# Altium PCB spin5v1_simple.PcbDoc (part 1 of 25)
Units mm, origin at the board's own origin, x right, y up, seen from the top; angles counter-clockwise.
Board outline 220.03 x 233.43 mm, 2 copper layers (TOP, BOTTOM), stack 0.176 mm thick; 1457 components, 4724 nets, 19245 pads, 25289 vias.
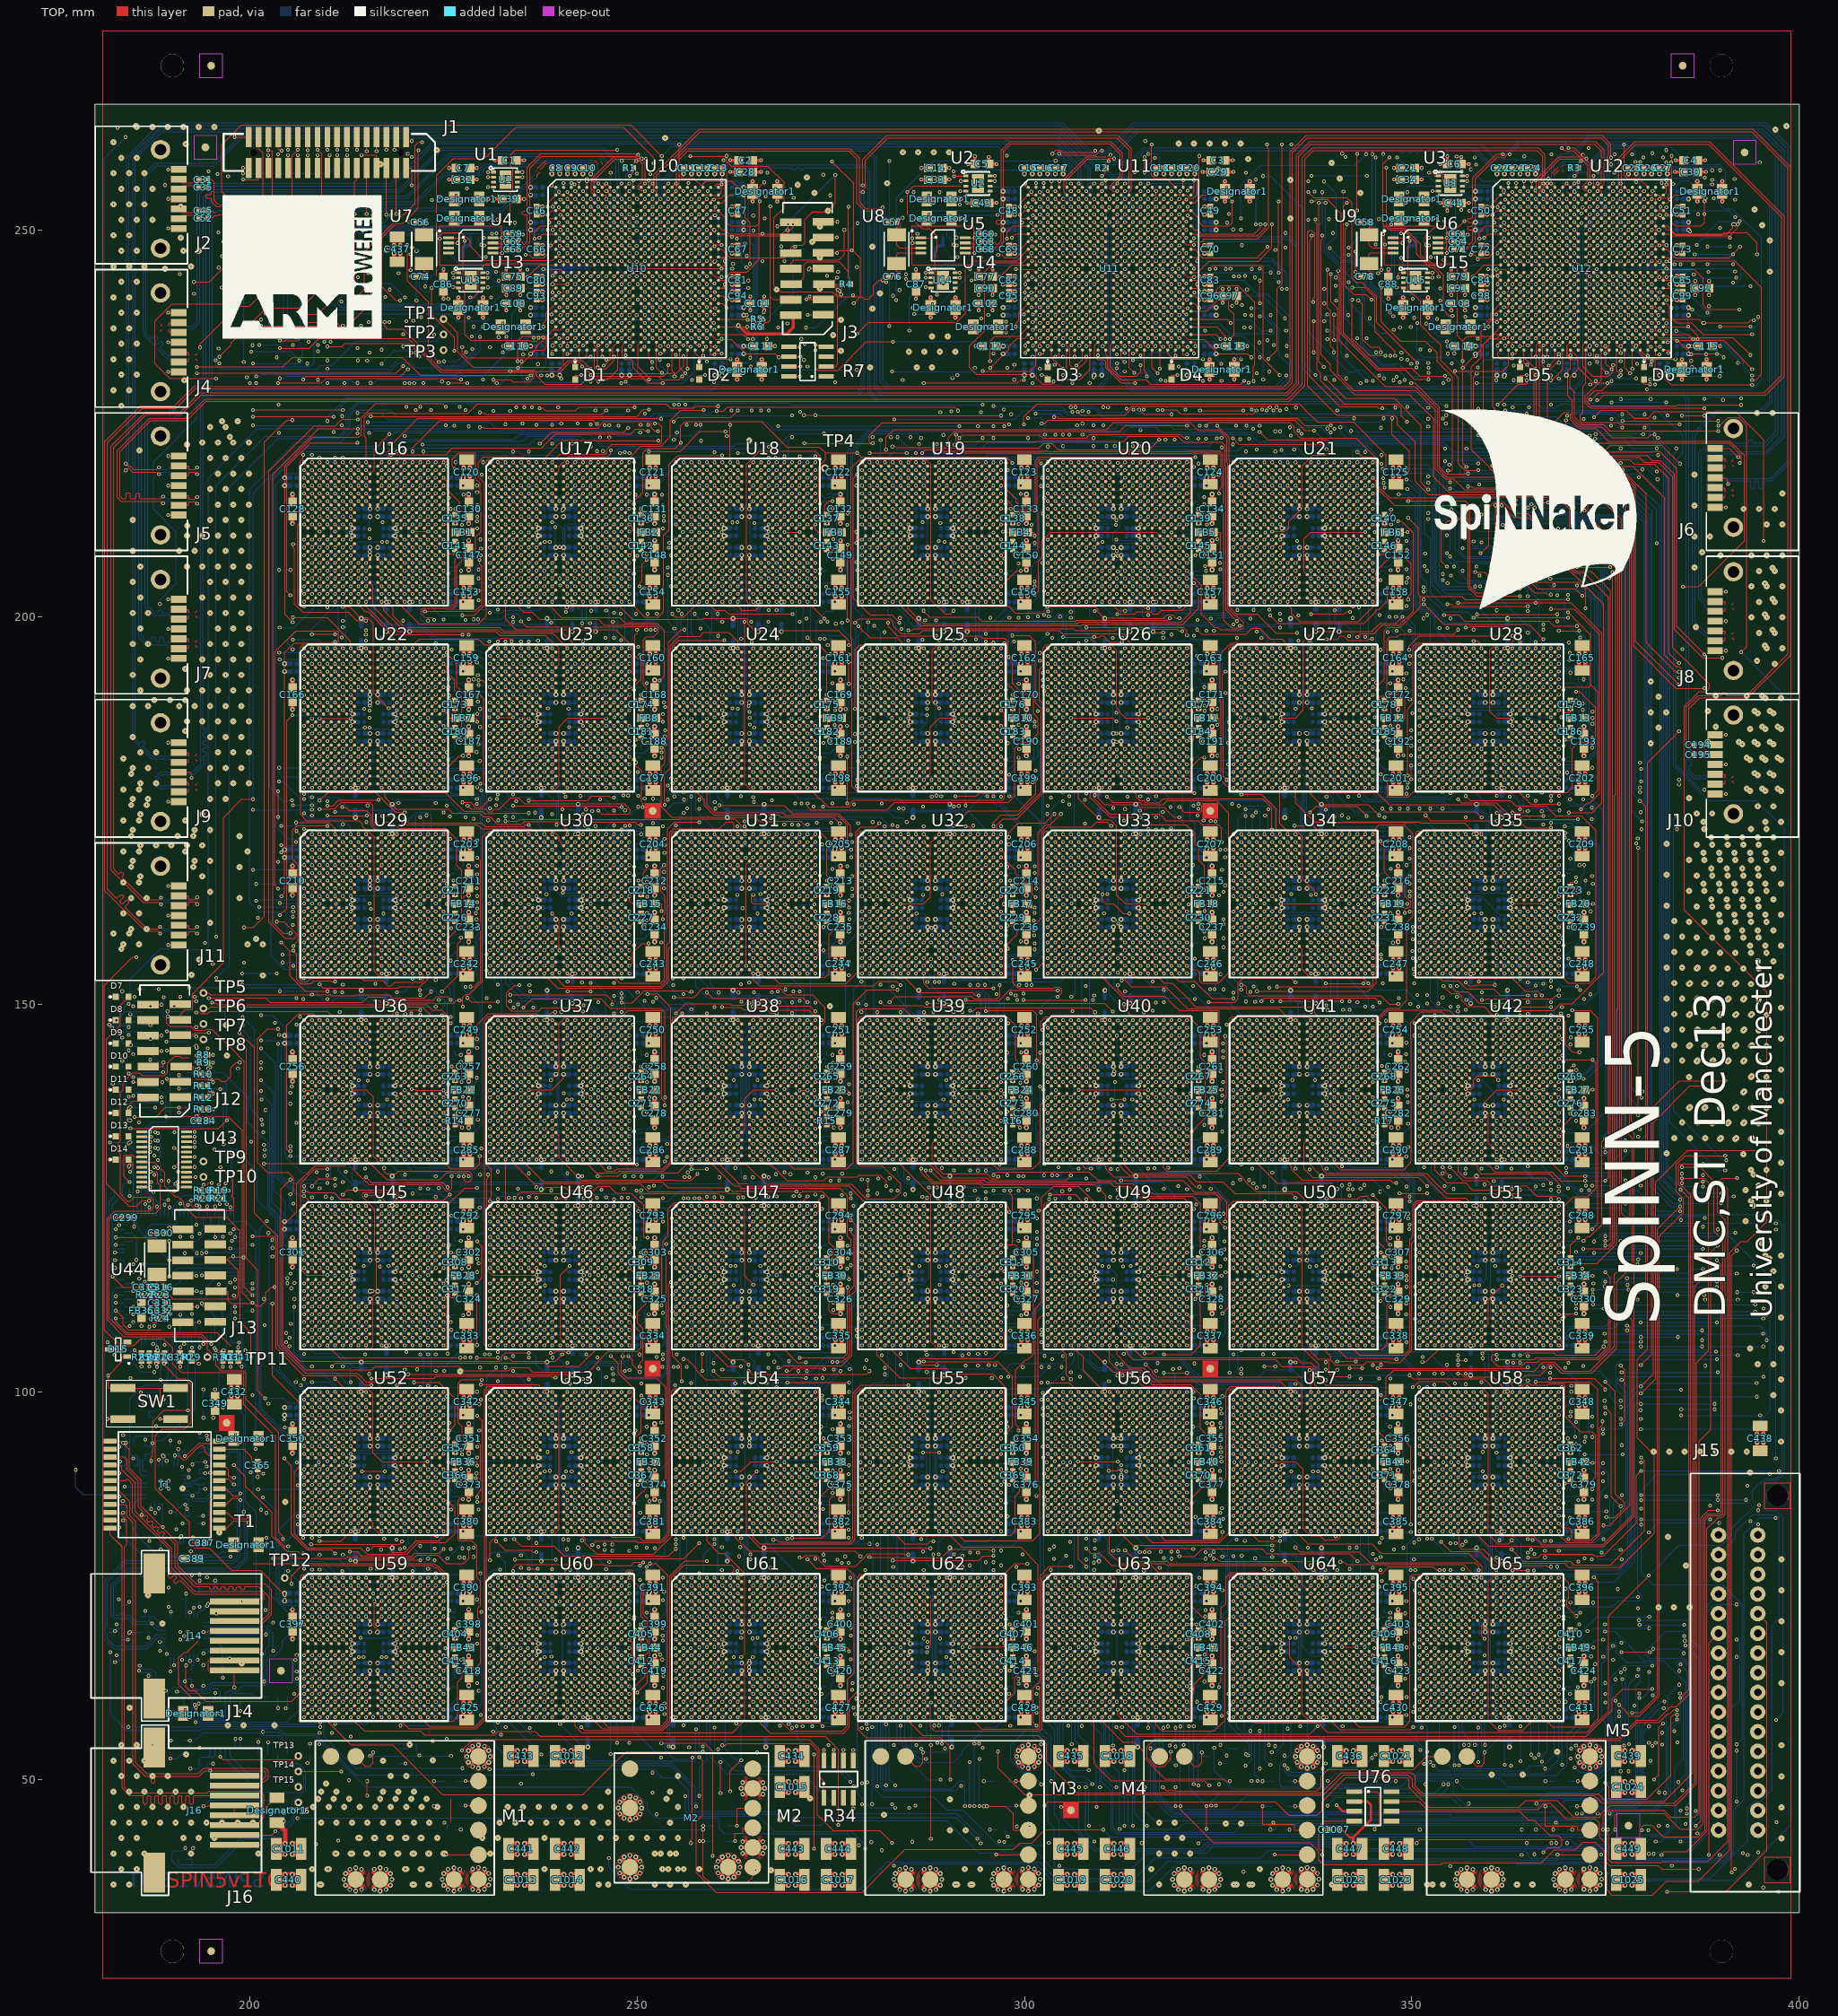
[diagram p0: TOP view]
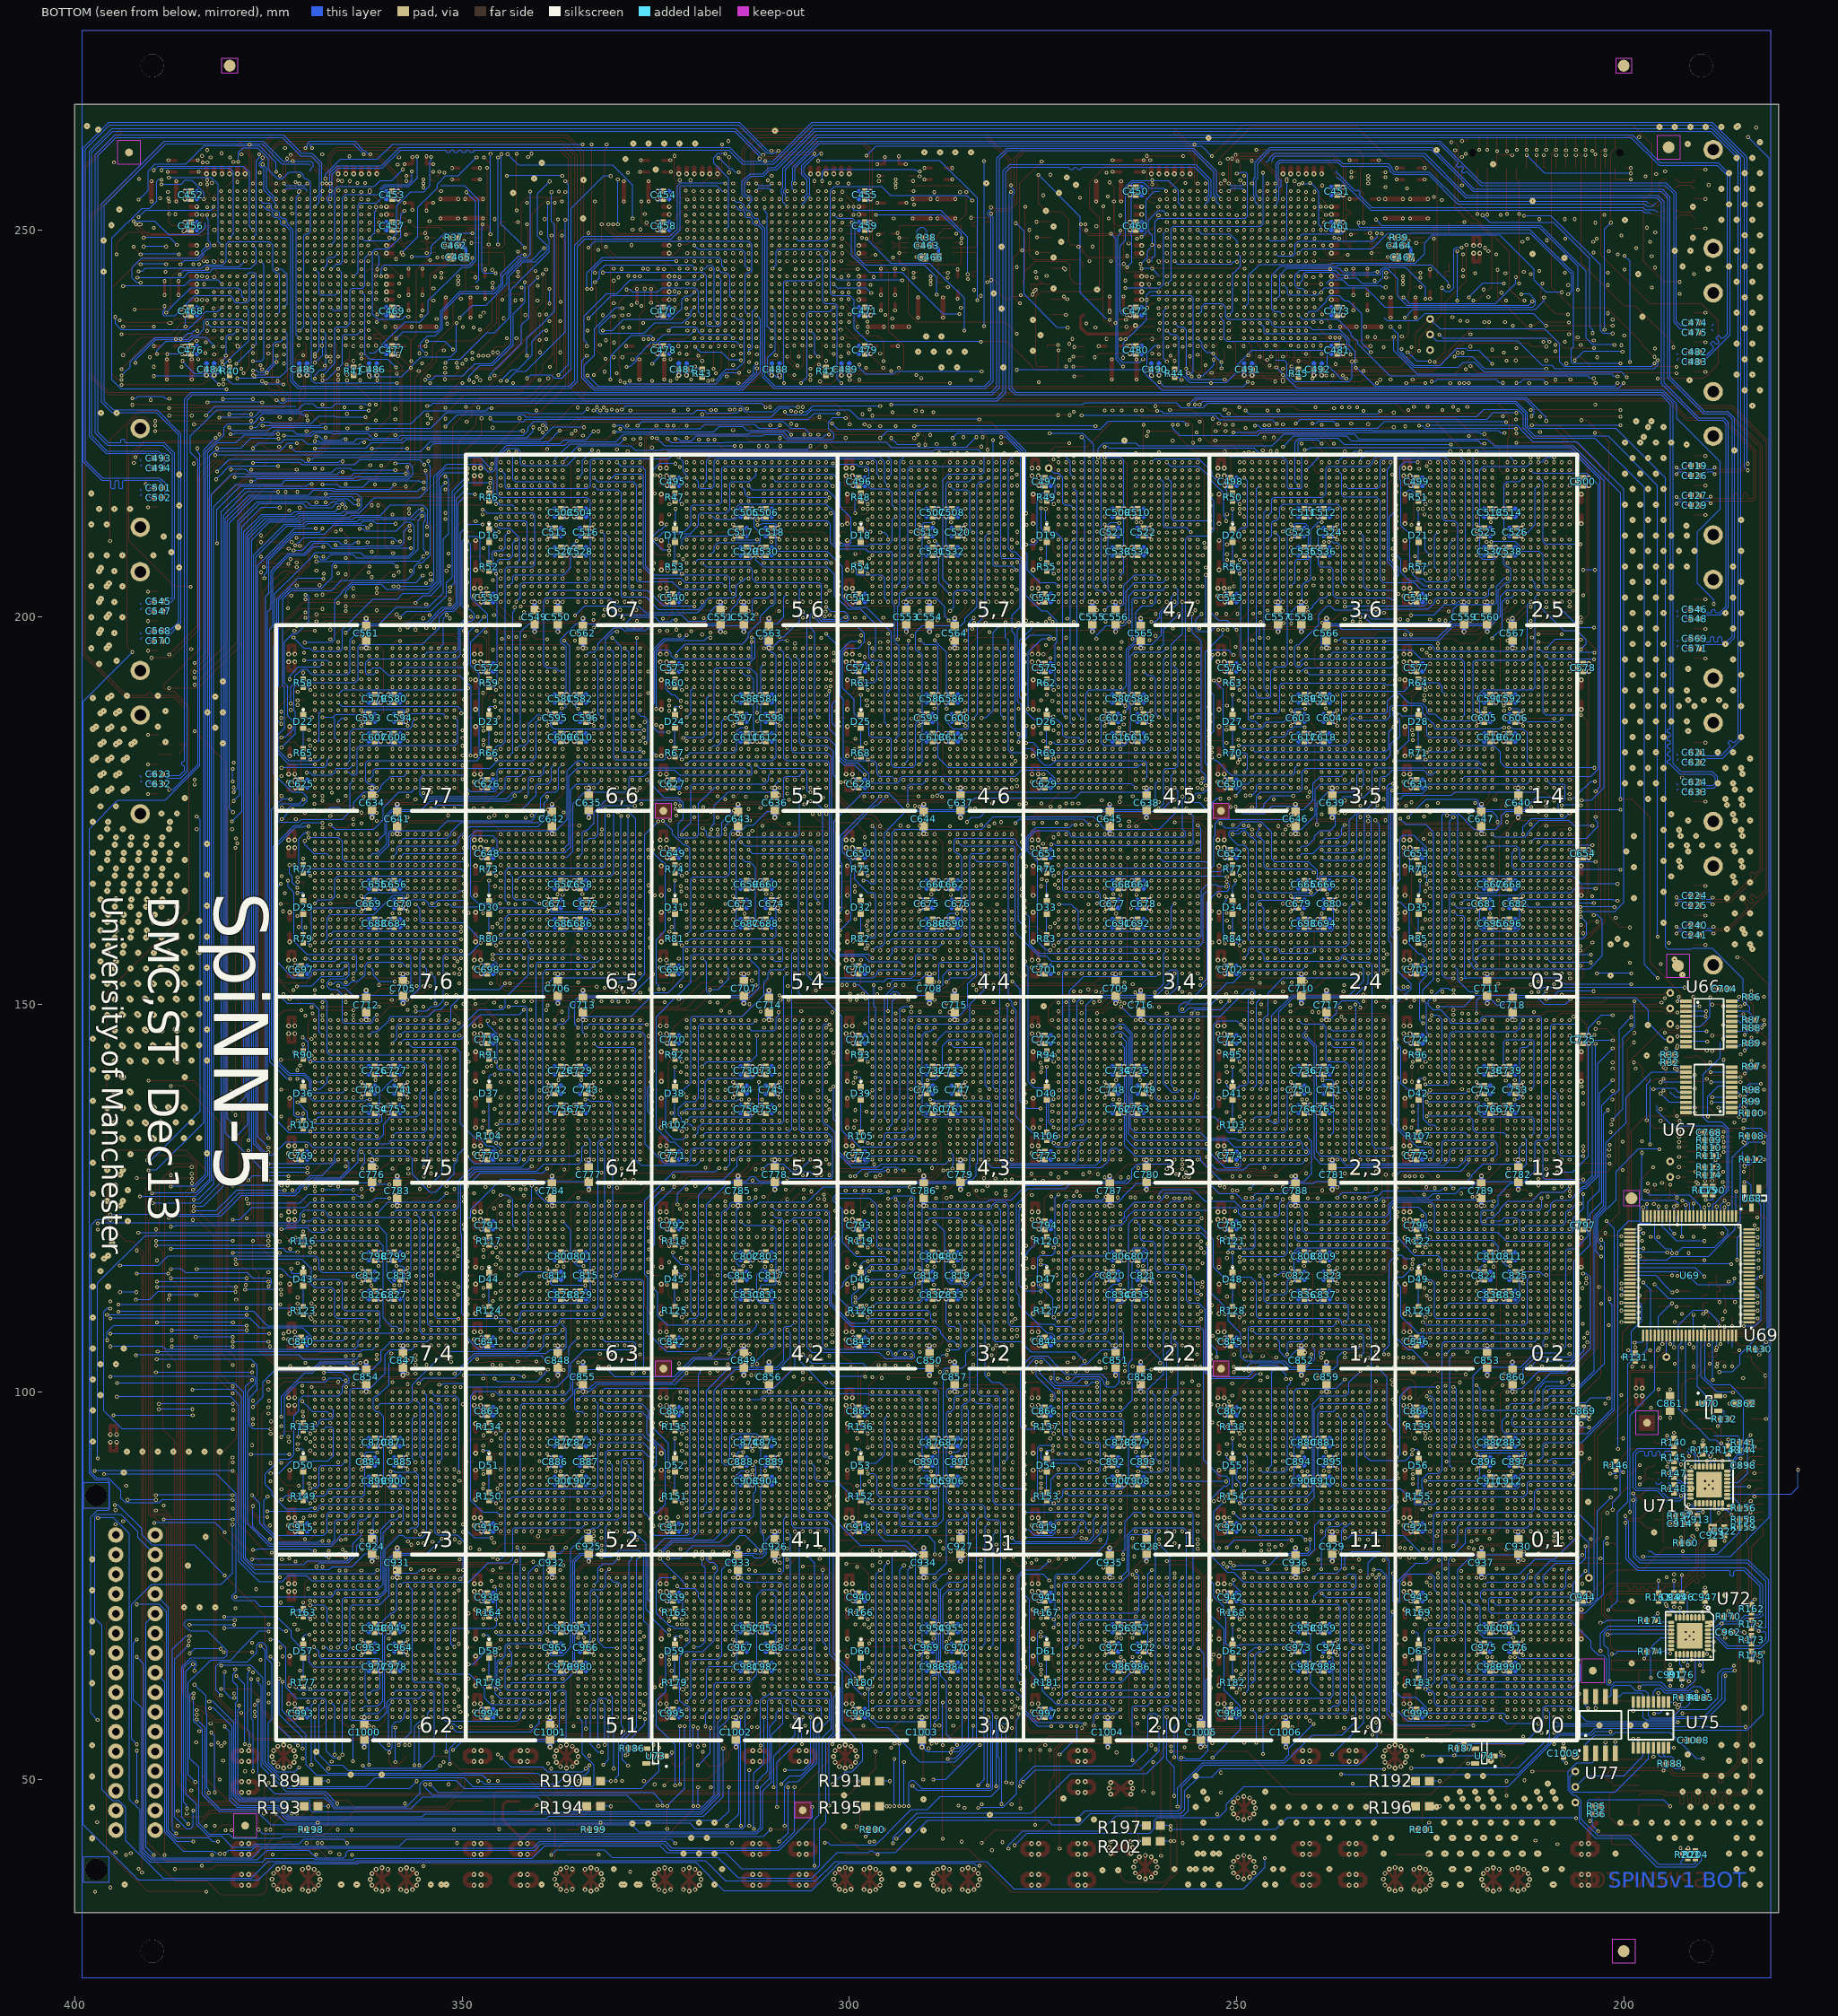
[diagram p1: BOTTOM view, seen from below]

## Layer stack, top to bottom
TOP: signal copper 0.038
Dielectric 1: core 0.1, FR-4, Dk 4.2
BOTTOM: signal copper 0.038

## Board outline
179.987,32.8 180,32.787 400,32.787 400.013,32.8 400.013,266.2 400,266.213 180,266.213 179.987,266.2

## Design rules (kind name [scope] priority, off if disabled: settings)
Clearance [All] p1: gap=0.254
PolygonConnect [All] p1: connectstyle=Relief reliefconductorwidth=0.254 reliefentries=4 polygonreliefangle="90 Angle" airgapwidth=0.254
RoutingVias [All] p1: holewidth=0.711 width=1.27 viastyle="Through Hole" minholewidth=0.711 minwidth=1.27 maxholewidth=0.711 maxwidth=1.27
SolderMaskExpansion [All] p1: expansion=0.102
UnpouredPolygon [All] p1: allowunpoured=FALSE
Width [All] p1: maxlimit=0.254 minlimit=0.254 preferedwidth=0.254 impedancedriven=TRUE minimp=53.180000 maximp=54.260000 favimp=52.880000
29 further rules are at their usual default settings.

## Components (designator, comment, footprint, x,y, rotation, side; value= is the part's Value field where it differs from the comment)
C1 "CAP_0603" CAP_0603 233.5,259 r180 top
C2 "CAP_0603" CAP_0603 264,259 r0 top
C3 "CAP_0603" CAP_0603 325,259 r0 top
C4 "CAP_0603" CAP_0603 386,259 r0 top
C5 "CAP_0603" CAP_0603 294.5,258.5 r180 top
C6 "CAP_0603" CAP_0603 355.5,258.5 r180 top
C7 "CAP_0603" CAP_0603 227.5,258 r180 top
C8 "CAP_0402_VS" CAP_0402_VS 239.5,258 r0 top
C9 "CAP_0402_VS" CAP_0402_VS 241.5,258 r0 top
C10 "CAP_0402_VS" CAP_0402_VS 243.5,258 r0 top
C11 "CAP_0402_VS" CAP_0402_VS 256.5,258 r0 top
C12 "CAP_0402_VS" CAP_0402_VS 258.5,258 r0 top
C13 "CAP_0402_VS" CAP_0402_VS 260.5,258 r0 top
C14 "CAP_0603" CAP_0603 288.5,258 r180 top
C15 "CAP_0402_VS" CAP_0402_VS 300.5,258 r0 top
C16 "CAP_0402_VS" CAP_0402_VS 302.5,258 r0 top
C17 "CAP_0402_VS" CAP_0402_VS 304.5,258 r0 top
C18 "CAP_0402_VS" CAP_0402_VS 317.5,258 r0 top
C19 "CAP_0402_VS" CAP_0402_VS 319.5,258 r0 top
C20 "CAP_0402_VS" CAP_0402_VS 321.5,258 r0 top
C21 "CAP_0603" CAP_0603 349.5,258 r180 top
C22 "CAP_0402_VS" CAP_0402_VS 361.5,258 r0 top
C23 "CAP_0402_VS" CAP_0402_VS 363.5,258 r0 top
C24 "CAP_0402_VS" CAP_0402_VS 365.5,258 r0 top
C25 "CAP_0402_VS" CAP_0402_VS 378.5,258 r0 top
C26 "CAP_0402_VS" CAP_0402_VS 380.5,258 r0 top
C27 "CAP_0402_VS" CAP_0402_VS 382.5,258 r0 top
C28 "CAP_0603" CAP_0603 264,257.5 r0 top
C29 "CAP_0603" CAP_0603 325,257.5 r0 top
C30 "CAP_0603" CAP_0603 386,257.5 r0 top
C31 "CAP_0402" CAP_0402 194,256.5 r0 top
C32 "CAP_0603" CAP_0603 227.5,256.5 r180 top
C33 "CAP_0603" CAP_0603 288.5,256.5 r180 top
C34 "CAP_0603" CAP_0603 349.5,256.5 r180 top
C35 "CAP_0402" CAP_0402 194,255.5 r0 top
C39 "CAP_0603" CAP_0603 233.5,254 r180 top
C43 "CAP_0603" CAP_0603 294.5,253.5 r180 top
C44 "CAP_0603" CAP_0603 355.5,253.5 r180 top
C45 "CAP_0402" CAP_0402 194,252.5 r0 top
C46 "CAP_0402_VS" CAP_0402_VS 237,252.5 r90 top
C47 "CAP_0402_VS" CAP_0402_VS 263,252.5 r270 top
C48 "CAP_0402_VS" CAP_0402_VS 298,252.5 r90 top
C49 "CAP_0402_VS" CAP_0402_VS 324,252.5 r270 top
C50 "CAP_0402_VS" CAP_0402_VS 359,252.5 r90 top
C51 "CAP_0402_VS" CAP_0402_VS 385,252.5 r270 top
C52 "CAP_0402" CAP_0402 194,251.5 r0 top
C56 "CAP_0402" CAP_0402 222,251 r180 top
C57 "CAP_0402" CAP_0402 283,251 r180 top
C58 "CAP_0402" CAP_0402 344,251 r180 top
C59 "CAP_0402" CAP_0402 234,249.5 r0 top
C60 "CAP_0402" CAP_0402 295,249.5 r0 top
C61 "CAP_0402" CAP_0402 356,249.5 r0 top
C62 "CAP_0402" CAP_0402 234,248.5 r180 top
C63 "CAP_0402" CAP_0402 295,248.5 r180 top
C64 "CAP_0402" CAP_0402 356,248.5 r180 top
C65 "CAP_0402" CAP_0402 234,247.5 r180 top
C66 "CAP_0402_VS" CAP_0402_VS 237,247.5 r90 top
C67 "CAP_0402_VS" CAP_0402_VS 263,247.5 r270 top
C68 "CAP_0402" CAP_0402 295,247.5 r180 top
C69 "CAP_0402_VS" CAP_0402_VS 298,247.5 r90 top
C70 "CAP_0402_VS" CAP_0402_VS 324,247.5 r270 top
C71 "CAP_0402" CAP_0402 356,247.5 r180 top
C72 "CAP_0402_VS" CAP_0402_VS 359,247.5 r90 top
C73 "CAP_0402_VS" CAP_0402_VS 385,247.5 r270 top
C74 "CAP_0402" CAP_0402 222,244 r180 top
C75 "CAP_0603" CAP_0603 234,244 r180 top
C76 "CAP_0402" CAP_0402 283,244 r180 top
C77 "CAP_0603" CAP_0603 295,244 r180 top
C78 "CAP_0402" CAP_0402 344,244 r180 top
C79 "CAP_0603" CAP_0603 356,244 r180 top
C80 "CAP_0402_VS" CAP_0402_VS 237,243.5 r90 top
C81 "CAP_0402_VS" CAP_0402_VS 263,243.5 r270 top
C82 "CAP_0402_VS" CAP_0402_VS 298,243.5 r90 top
C83 "CAP_0402_VS" CAP_0402_VS 324,243.5 r270 top
C84 "CAP_0402_VS" CAP_0402_VS 359,243.5 r90 top
C85 "CAP_0402_VS" CAP_0402_VS 385,243.5 r270 top
C86 "CAP_0603" CAP_0603 225,243 r270 top
C87 "CAP_0603" CAP_0603 286,243 r270 top
C88 "CAP_0603" CAP_0603 347,243 r270 top
C89 "CAP_0603" CAP_0603 234,242.5 r180 top
C90 "CAP_0603" CAP_0603 295,242.5 r180 top
C91 "CAP_0603" CAP_0603 356,242.5 r180 top
C92 "CAP_0603" CAP_0603 387.5,242.5 r0 top
C93 "CAP_0402_VS" CAP_0402_VS 237,241.5 r90 top
C94 "CAP_0402_VS" CAP_0402_VS 263,241.5 r270 top
C95 "CAP_0402_VS" CAP_0402_VS 298,241.5 r90 top
C96 "CAP_0402_VS" CAP_0402_VS 324,241.5 r270 top
C97 "CAP_0603" CAP_0603 326.5,241.5 r0 top
C98 "CAP_0402_VS" CAP_0402_VS 359,241.5 r90 top
C99 "CAP_0402_VS" CAP_0402_VS 385,241.5 r270 top
C100 "CAP_0603" CAP_0603 234,240.5 r180 top
C101 "CAP_0603" CAP_0603 265.5,240.5 r0 top
C102 "CAP_0603" CAP_0603 295,240.5 r180 top
C103 "CAP_0603" CAP_0603 356,240.5 r180 top
C110 "CAP_0603" CAP_0603 234.5,235 r180 top
C111 "CAP_0603" CAP_0603 266,235 r0 top
C112 "CAP_0603" CAP_0603 295.5,235 r180 top
C113 "CAP_0603" CAP_0603 327,235 r0 top
C114 "CAP_0603" CAP_0603 356.5,235 r180 top
C115 "CAP_0603" CAP_0603 388,235 r0 top
C119 "CAP_0402" CAP_0402 190.81,219.54 r0 bottom
C120 "CAP_1206VL" CAP_1206VL 228.01,218.75 r270 top
C121 "CAP_1206VL" CAP_1206VL 252.01,218.75 r270 top
C122 "CAP_1206VL" CAP_1206VL 276.01,218.75 r270 top
C123 "CAP_1206VL" CAP_1206VL 300.01,218.75 r270 top
C124 "CAP_1206VL" CAP_1206VL 324.01,218.75 r270 top
C125 "CAP_1206VL" CAP_1206VL 348.01,218.75 r270 top
C126 "CAP_0402" CAP_0402 190.81,218.27 r0 bottom
C127 "CAP_0402" CAP_0402 190.81,215.73 r0 bottom
C128 "CAP_0603_VL" CAP_0603_VL 205.688,214.525 r270 top
C129 "CAP_0402" CAP_0402 190.81,214.46 r0 bottom
C130 "CAP_0603_VL" CAP_0603_VL 228.062,213.475 r90 top
C131 "CAP_0603_VL" CAP_0603_VL 252.062,213.475 r90 top
C132 "CAP_0603_VL" CAP_0603_VL 276.062,213.475 r90 top
C133 "CAP_0603_VL" CAP_0603_VL 300.062,213.475 r90 top
C134 "CAP_0603_VL" CAP_0603_VL 324.062,213.475 r90 top
C135 "CAP_0402" CAP_0402 226.5,212.75 r90 top
C136 "CAP_0402" CAP_0402 250.5,212.75 r90 top
C137 "CAP_0402" CAP_0402 274.5,212.75 r90 top
C138 "CAP_0402" CAP_0402 298.5,212.75 r90 top
C139 "CAP_0402" CAP_0402 322.5,212.75 r90 top
C140 "CAP_0402" CAP_0402 346.5,212.75 r90 top
C141 "CAP_0402" CAP_0402 226.5,209.25 r270 top
C142 "CAP_0402" CAP_0402 250.5,209.25 r270 top
C143 "CAP_0402" CAP_0402 274.5,209.25 r270 top
C144 "CAP_0402" CAP_0402 298.5,209.25 r270 top
C145 "CAP_0402" CAP_0402 322.5,209.25 r270 top
C146 "CAP_0402" CAP_0402 346.5,209.25 r270 top
C147 "CAP_0603_VL" CAP_0603_VL 228.438,208.525 r270 top
C148 "CAP_0603_VL" CAP_0603_VL 252.438,208.525 r270 top
C149 "CAP_0603_VL" CAP_0603_VL 276.438,208.525 r270 top
C150 "CAP_0603_VL" CAP_0603_VL 300.438,208.525 r270 top
C151 "CAP_0603_VL" CAP_0603_VL 324.438,208.525 r270 top
C152 "CAP_0603_VL" CAP_0603_VL 348.438,208.525 r270 top
C153 "CAP_1206VL" CAP_1206VL 227.99,203.25 r90 top
C154 "CAP_1206VL" CAP_1206VL 251.99,203.25 r90 top
C155 "CAP_1206VL" CAP_1206VL 275.99,203.25 r90 top
C156 "CAP_1206VL" CAP_1206VL 299.99,203.25 r90 top
C157 "CAP_1206VL" CAP_1206VL 323.99,203.25 r90 top
C158 "CAP_1206VL" CAP_1206VL 347.99,203.25 r90 top
C159 "CAP_1206VL" CAP_1206VL 228.01,194.75 r270 top
C160 "CAP_1206VL" CAP_1206VL 252.01,194.75 r270 top
C161 "CAP_1206VL" CAP_1206VL 276.01,194.75 r270 top
C162 "CAP_1206VL" CAP_1206VL 300.01,194.75 r270 top
C163 "CAP_1206VL" CAP_1206VL 324.01,194.75 r270 top
C164 "CAP_1206VL" CAP_1206VL 348.01,194.75 r270 top
C165 "CAP_1206VL" CAP_1206VL 372.01,194.75 r270 top
C166 "CAP_0603_VL" CAP_0603_VL 205.688,190.525 r270 top
C167 "CAP_0603_VL" CAP_0603_VL 228.062,189.475 r90 top
C168 "CAP_0603_VL" CAP_0603_VL 252.062,189.475 r90 top
C169 "CAP_0603_VL" CAP_0603_VL 276.062,189.475 r90 top
C170 "CAP_0603_VL" CAP_0603_VL 300.062,189.475 r90 top
C171 "CAP_0603_VL" CAP_0603_VL 324.062,189.475 r90 top
C172 "CAP_0603_VL" CAP_0603_VL 348.062,189.475 r90 top
C173 "CAP_0402" CAP_0402 226.5,188.75 r90 top
C174 "CAP_0402" CAP_0402 250.5,188.75 r90 top
C175 "CAP_0402" CAP_0402 274.5,188.75 r90 top
C176 "CAP_0402" CAP_0402 298.5,188.75 r90 top
C177 "CAP_0402" CAP_0402 322.5,188.75 r90 top
C178 "CAP_0402" CAP_0402 346.5,188.75 r90 top
C179 "CAP_0402" CAP_0402 370.5,188.75 r90 top
C180 "CAP_0402" CAP_0402 226.5,185.25 r270 top
C181 "CAP_0402" CAP_0402 250.5,185.25 r270 top
C182 "CAP_0402" CAP_0402 274.5,185.25 r270 top
C183 "CAP_0402" CAP_0402 298.5,185.25 r270 top
C184 "CAP_0402" CAP_0402 322.5,185.25 r270 top
C185 "CAP_0402" CAP_0402 346.5,185.25 r270 top
C186 "CAP_0402" CAP_0402 370.5,185.25 r270 top
C187 "CAP_0603_VL" CAP_0603_VL 228.438,184.525 r270 top
C188 "CAP_0603_VL" CAP_0603_VL 252.438,184.525 r270 top
C189 "CAP_0603_VL" CAP_0603_VL 276.438,184.525 r270 top
C190 "CAP_0603_VL" CAP_0603_VL 300.438,184.525 r270 top
C191 "CAP_0603_VL" CAP_0603_VL 324.438,184.525 r270 top
C192 "CAP_0603_VL" CAP_0603_VL 348.438,184.525 r270 top
C193 "CAP_0603_VL" CAP_0603_VL 372.438,184.525 r270 top
C194 "CAP_0402" CAP_0402 387,183.5 r180 top
C195 "CAP_0402" CAP_0402 387,182.25 r180 top
C196 "CAP_1206VL" CAP_1206VL 227.99,179.25 r90 top
C197 "CAP_1206VL" CAP_1206VL 251.99,179.25 r90 top
C198 "CAP_1206VL" CAP_1206VL 275.99,179.25 r90 top
C199 "CAP_1206VL" CAP_1206VL 299.99,179.25 r90 top
C200 "CAP_1206VL" CAP_1206VL 323.99,179.25 r90 top
C201 "CAP_1206VL" CAP_1206VL 347.99,179.25 r90 top
C202 "CAP_1206VL" CAP_1206VL 371.99,179.25 r90 top
C203 "CAP_1206VL" CAP_1206VL 228.01,170.75 r270 top
C204 "CAP_1206VL" CAP_1206VL 252.01,170.75 r270 top
C205 "CAP_1206VL" CAP_1206VL 276.01,170.75 r270 top
C206 "CAP_1206VL" CAP_1206VL 300.01,170.75 r270 top
C207 "CAP_1206VL" CAP_1206VL 324.01,170.75 r270 top
C208 "CAP_1206VL" CAP_1206VL 348.01,170.75 r270 top
C209 "CAP_1206VL" CAP_1206VL 372.01,170.75 r270 top
C210 "CAP_0603_VL" CAP_0603_VL 205.688,166.525 r270 top
C211 "CAP_0603_VL" CAP_0603_VL 228.062,165.475 r90 top
C212 "CAP_0603_VL" CAP_0603_VL 252.062,165.475 r90 top
C213 "CAP_0603_VL" CAP_0603_VL 276.062,165.475 r90 top
C214 "CAP_0603_VL" CAP_0603_VL 300.062,165.475 r90 top
C215 "CAP_0603_VL" CAP_0603_VL 324.062,165.475 r90 top
C216 "CAP_0603_VL" CAP_0603_VL 348.062,165.475 r90 top
C217 "CAP_0402" CAP_0402 226.5,164.75 r90 top
C218 "CAP_0402" CAP_0402 250.5,164.75 r90 top
C219 "CAP_0402" CAP_0402 274.5,164.75 r90 top
C220 "CAP_0402" CAP_0402 298.5,164.75 r90 top
C221 "CAP_0402" CAP_0402 322.5,164.75 r90 top
C222 "CAP_0402" CAP_0402 346.5,164.75 r90 top
C223 "CAP_0402" CAP_0402 370.5,164.75 r90 top
C224 "CAP_0402" CAP_0402 190.81,164.04 r0 bottom
C225 "CAP_0402" CAP_0402 190.81,162.77 r0 bottom
C226 "CAP_0402" CAP_0402 226.5,161.25 r270 top
C227 "CAP_0402" CAP_0402 250.5,161.25 r270 top
C228 "CAP_0402" CAP_0402 274.5,161.25 r270 top
C229 "CAP_0402" CAP_0402 298.5,161.25 r270 top
C230 "CAP_0402" CAP_0402 322.5,161.25 r270 top
C231 "CAP_0402" CAP_0402 346.5,161.25 r270 top
C232 "CAP_0402" CAP_0402 370.5,161.25 r270 top
C233 "CAP_0603_VL" CAP_0603_VL 228.438,160.525 r270 top
C234 "CAP_0603_VL" CAP_0603_VL 252.438,160.525 r270 top
C235 "CAP_0603_VL" CAP_0603_VL 276.438,160.525 r270 top
C236 "CAP_0603_VL" CAP_0603_VL 300.438,160.525 r270 top
C237 "CAP_0603_VL" CAP_0603_VL 324.438,160.525 r270 top
C238 "CAP_0603_VL" CAP_0603_VL 348.438,160.525 r270 top
C239 "CAP_0603_VL" CAP_0603_VL 372.438,160.525 r270 top
C240 "CAP_0402" CAP_0402 190.81,160.23 r0 bottom
C241 "CAP_0402" CAP_0402 190.81,158.96 r0 bottom
C242 "CAP_1206VL" CAP_1206VL 227.99,155.25 r90 top
C243 "CAP_1206VL" CAP_1206VL 251.99,155.25 r90 top
C244 "CAP_1206VL" CAP_1206VL 275.99,155.25 r90 top
C245 "CAP_1206VL" CAP_1206VL 299.99,155.25 r90 top
C246 "CAP_1206VL" CAP_1206VL 323.99,155.25 r90 top
C247 "CAP_1206VL" CAP_1206VL 347.99,155.25 r90 top
C248 "CAP_1206VL" CAP_1206VL 371.99,155.25 r90 top
C249 "CAP_1206VL" CAP_1206VL 228.01,146.75 r270 top
C250 "CAP_1206VL" CAP_1206VL 252.01,146.75 r270 top
C251 "CAP_1206VL" CAP_1206VL 276.01,146.75 r270 top
C252 "CAP_1206VL" CAP_1206VL 300.01,146.75 r270 top
C253 "CAP_1206VL" CAP_1206VL 324.01,146.75 r270 top
C254 "CAP_1206VL" CAP_1206VL 348.01,146.75 r270 top
C255 "CAP_1206VL" CAP_1206VL 372.01,146.75 r270 top
C256 "CAP_0603_VL" CAP_0603_VL 205.688,142.525 r270 top
C257 "CAP_0603_VL" CAP_0603_VL 228.062,141.475 r90 top
C258 "CAP_0603_VL" CAP_0603_VL 252.062,141.475 r90 top
C259 "CAP_0603_VL" CAP_0603_VL 276.062,141.475 r90 top
C260 "CAP_0603_VL" CAP_0603_VL 300.062,141.475 r90 top
C261 "CAP_0603_VL" CAP_0603_VL 324.062,141.475 r90 top
C262 "CAP_0603_VL" CAP_0603_VL 348.062,141.475 r90 top
C263 "CAP_0402" CAP_0402 226.5,140.75 r90 top
C264 "CAP_0402" CAP_0402 250.5,140.75 r90 top
C265 "CAP_0402" CAP_0402 274.5,140.75 r90 top
C266 "CAP_0402" CAP_0402 298.5,140.75 r90 top
C267 "CAP_0402" CAP_0402 322.5,140.75 r90 top
C268 "CAP_0402" CAP_0402 346.5,140.75 r90 top
C269 "CAP_0402" CAP_0402 370.5,140.75 r90 top
C270 "CAP_0402" CAP_0402 226.5,137.25 r270 top
C271 "CAP_0402" CAP_0402 250.5,137.25 r270 top
C272 "CAP_0402" CAP_0402 274.5,137.25 r270 top
C273 "CAP_0402" CAP_0402 298.5,137.25 r270 top
C274 "CAP_0402" CAP_0402 322.5,137.25 r270 top
C275 "CAP_0402" CAP_0402 346.5,137.25 r270 top
C276 "CAP_0402" CAP_0402 370.5,137.25 r270 top
C277 "CAP_0603_VL" CAP_0603_VL 228.438,136.525 r270 top
C278 "CAP_0603_VL" CAP_0603_VL 252.438,136.525 r270 top
C279 "CAP_0603_VL" CAP_0603_VL 276.438,136.525 r270 top
C280 "CAP_0603_VL" CAP_0603_VL 300.438,136.525 r270 top
C281 "CAP_0603_VL" CAP_0603_VL 324.438,136.525 r270 top
C282 "CAP_0603_VL" CAP_0603_VL 348.438,136.525 r270 top
C283 "CAP_0603_VL" CAP_0603_VL 372.438,136.525 r270 top
C284 "CAP_0402" CAP_0402 194,135 r0 top
C285 "CAP_1206VL" CAP_1206VL 227.99,131.25 r90 top
C286 "CAP_1206VL" CAP_1206VL 251.99,131.25 r90 top
C287 "CAP_1206VL" CAP_1206VL 275.99,131.25 r90 top
C288 "CAP_1206VL" CAP_1206VL 299.99,131.25 r90 top
C289 "CAP_1206VL" CAP_1206VL 323.99,131.25 r90 top
C290 "CAP_1206VL" CAP_1206VL 347.99,131.25 r90 top
C291 "CAP_1206VL" CAP_1206VL 371.99,131.25 r90 top
C292 "CAP_1206VL" CAP_1206VL 228.01,122.75 r270 top
C293 "CAP_1206VL" CAP_1206VL 252.01,122.75 r270 top
C294 "CAP_1206VL" CAP_1206VL 276.01,122.75 r270 top
C295 "CAP_1206VL" CAP_1206VL 300.01,122.75 r270 top
C296 "CAP_1206VL" CAP_1206VL 324.01,122.75 r270 top
C297 "CAP_1206VL" CAP_1206VL 348.01,122.75 r270 top
C298 "CAP_1206VL" CAP_1206VL 372.01,122.75 r270 top
C299 "CAP_0402" CAP_0402 184,122.5 r0 top
C300 "CAP_0402" CAP_0402 188.5,120.5 r180 top
C301 "CAP_0603_VL" CAP_0603_VL 205.688,118.525 r270 top
C302 "CAP_0603_VL" CAP_0603_VL 228.062,117.475 r90 top
C303 "CAP_0603_VL" CAP_0603_VL 252.062,117.475 r90 top
C304 "CAP_0603_VL" CAP_0603_VL 276.062,117.475 r90 top
C305 "CAP_0603_VL" CAP_0603_VL 300.062,117.475 r90 top
C306 "CAP_0603_VL" CAP_0603_VL 324.062,117.475 r90 top
C307 "CAP_0603_VL" CAP_0603_VL 348.062,117.475 r90 top
C308 "CAP_0402" CAP_0402 226.5,116.75 r90 top
C309 "CAP_0402" CAP_0402 250.5,116.75 r90 top
C310 "CAP_0402" CAP_0402 274.5,116.75 r90 top
C311 "CAP_0402" CAP_0402 298.5,116.75 r90 top
C312 "CAP_0402" CAP_0402 322.5,116.75 r90 top
C313 "CAP_0402" CAP_0402 346.5,116.75 r90 top
C314 "CAP_0402" CAP_0402 370.5,116.75 r90 top
C315 "CAP_0402" CAP_0402 186.5,113.5 r0 top
C316 "CAP_0402" CAP_0402 188.5,113.5 r180 top
C317 "CAP_0402" CAP_0402 226.5,113.25 r270 top
C318 "CAP_0402" CAP_0402 250.5,113.25 r270 top
C319 "CAP_0402" CAP_0402 274.5,113.25 r270 top
C320 "CAP_0402" CAP_0402 298.5,113.25 r270 top
C321 "CAP_0402" CAP_0402 322.5,113.25 r270 top
C322 "CAP_0402" CAP_0402 346.5,113.25 r270 top
C323 "CAP_0402" CAP_0402 370.5,113.25 r270 top
C324 "CAP_0603_VL" CAP_0603_VL 228.438,112.525 r270 top
C325 "CAP_0603_VL" CAP_0603_VL 252.438,112.525 r270 top
C326 "CAP_0603_VL" CAP_0603_VL 276.438,112.525 r270 top
C327 "CAP_0603_VL" CAP_0603_VL 300.438,112.525 r270 top
C328 "CAP_0603_VL" CAP_0603_VL 324.438,112.525 r270 top
C329 "CAP_0603_VL" CAP_0603_VL 348.438,112.525 r270 top
C330 "CAP_0603_VL" CAP_0603_VL 372.438,112.525 r270 top
C331 "CAP_0402" CAP_0402 188.5,111.5 r0 top
C332 "CAP_0402" CAP_0402 188.5,110.5 r0 top
C333 "CAP_1206VL" CAP_1206VL 227.99,107.25 r90 top
C334 "CAP_1206VL" CAP_1206VL 251.99,107.25 r90 top
C335 "CAP_1206VL" CAP_1206VL 275.99,107.25 r90 top
C336 "CAP_1206VL" CAP_1206VL 299.99,107.25 r90 top
C337 "CAP_1206VL" CAP_1206VL 323.99,107.25 r90 top
C338 "CAP_1206VL" CAP_1206VL 347.99,107.25 r90 top
C339 "CAP_1206VL" CAP_1206VL 371.99,107.25 r90 top
C340 "CAP_0402" CAP_0402 191,104.5 r270 top
C341 "CAP_0402" CAP_0402 198.5,104.5 r270 top
C342 "CAP_1206VL" CAP_1206VL 228.01,98.75 r270 top
C343 "CAP_1206VL" CAP_1206VL 252.01,98.75 r270 top
C344 "CAP_1206VL" CAP_1206VL 276.01,98.75 r270 top
C345 "CAP_1206VL" CAP_1206VL 300.01,98.75 r270 top
C346 "CAP_1206VL" CAP_1206VL 324.01,98.75 r270 top
C347 "CAP_1206VL" CAP_1206VL 348.01,98.75 r270 top
C348 "CAP_1206VL" CAP_1206VL 372.01,98.75 r270 top
C349 "CAP_0603" CAP_0603 195.5,98.5 r270 top
C350 "CAP_0603_VL" CAP_0603_VL 205.688,94.525 r270 top
C351 "CAP_0603_VL" CAP_0603_VL 228.062,93.475 r90 top
C352 "CAP_0603_VL" CAP_0603_VL 252.062,93.475 r90 top
C353 "CAP_0603_VL" CAP_0603_VL 276.062,93.475 r90 top

## Text inside footprints (layer, text, board x,y; h text height)
U38: PIN_NUMBER "J17" at 271.166,139.5 h0.24; PIN_NUMBER "J18" at 272.166,139.5 h0.24; PIN_NUMBER "M17" at 271.166,136.5 h0.24; PIN_NUMBER "M18" at 272.166,136.5 h0.24; PIN_NUMBER "J16" at 270.166,139.5 h0.24; PIN_NUMBER "C17" at 271.166,145.5 h0.24; PIN_NUMBER "C18" at 272.166,145.5 h0.24; PIN_NUMBER "D16" at 270.166,144.5 h0.24; PIN_NUMBER "K15" at 269.166,138.5 h0.24; PIN_NUMBER "K16" at 270.166,138.5 h0.24; PIN_NUMBER "E18" at 272.166,143.5 h0.24; PIN_NUMBER "F16" at 270.166,142.5 h0.24; PIN_NUMBER "M16" at 270.166,136.5 h0.24; PIN_NUMBER "P14" at 268.166,134.5 h0.24; PIN_NUMBER "N13" at 267.166,135.5 h0.24; PIN_NUMBER "N14" at 268.166,135.5 h0.24; PIN_NUMBER "M12" at 266.166,136.5 h0.24; PIN_NUMBER "M13" at 267.166,136.5 h0.24; PIN_NUMBER "M14" at 268.166,136.5 h0.24; PIN_NUMBER "H12" at 266.166,140.5 h0.24; PIN_NUMBER "H13" at 267.166,140.5 h0.24; PIN_NUMBER "H14" at 268.166,140.5 h0.24; PIN_NUMBER "E6" at 259.854,143.5 h0.24; PIN_NUMBER "E7" at 260.854,143.5 h0.24; PIN_NUMBER "F7" at 260.854,142.5 h0.24; PIN_NUMBER "E8" at 261.854,143.5 h0.24; PIN_NUMBER "F8" at 261.854,142.5 h0.24; PIN_NUMBER "L5" at 258.854,137.5 h0.24; PIN_NUMBER "L6" at 259.854,137.5 h0.24; PIN_NUMBER "L7" at 260.854,137.5 h0.24; PIN_NUMBER "G7" at 260.854,141.5 h0.24; PIN_NUMBER "G5" at 258.854,141.5 h0.24; PIN_NUMBER "G6" at 259.854,141.5 h0.24; PIN_NUMBER "F5" at 258.854,142.5 h0.24; PIN_NUMBER "F6" at 259.854,142.5 h0.24; PIN_NUMBER "E5" at 258.854,143.5 h0.24; PIN_NUMBER "P11" at 265.166,134.5 h0.24; PIN_NUMBER "N11" at 265.166,135.5 h0.24; PIN_NUMBER "P12" at 266.166,134.5 h0.24; PIN_NUMBER "N12" at 266.166,135.5 h0.24; PIN_NUMBER "P13" at 267.166,134.5 h0.24; PIN_NUMBER "K12" at 266.166,138.5 h0.24; PIN_NUMBER "K13" at 267.166,138.5 h0.24; PIN_NUMBER "K14" at 268.166,138.5 h0.24; PIN_NUMBER "E10" at 263.936,143.5 h0.24; PIN_NUMBER "F10" at 263.936,142.5 h0.24; PIN_NUMBER "J5" at 258.854,139.5 h0.24; PIN_NUMBER "J6" at 259.854,139.5 h0.24; PIN_NUMBER "J7" at 260.854,139.5 h0.24; PIN_NUMBER "N9" at 262.854,135.5 h0.24; PIN_NUMBER "P9" at 262.854,134.5 h0.24; PIN_NUMBER "B18" at 272.166,146.5 h0.24; PIN_NUMBER "G16" at 270.166,141.5 h0.24; PIN_NUMBER "C16" at 270.166,145.5 h0.24; PIN_NUMBER "G17" at 271.166,141.5 h0.24; PIN_NUMBER "C13" at 267.166,145.5 h0.24; PIN_NUMBER "B13" at 267.166,146.5 h0.24; PIN_NUMBER "A13" at 267.166,147.5 h0.24; PIN_NUMBER "D14" at 268.166,144.5 h0.24; PIN_NUMBER "C14" at 268.166,145.5 h0.24; PIN_NUMBER "B14" at 268.166,146.5 h0.24; PIN_NUMBER "A14" at 268.166,147.5 h0.24; PIN_NUMBER "K17" at 271.166,138.5 h0.24; PIN_NUMBER "K18" at 272.166,138.5 h0.24; PIN_NUMBER "L15" at 269.166,137.5 h0.24; PIN_NUMBER "L16" at 270.166,137.5 h0.24; PIN_NUMBER "A8" at 261.854,147.5 h0.24; PIN_NUMBER "D9" at 262.854,144.5 h0.24; PIN_NUMBER "C11" at 265.166,145.5 h0.24; PIN_NUMBER "B11" at 265.166,146.5 h0.24; PIN_NUMBER "A11" at 265.166,147.5 h0.24; PIN_NUMBER "D10" at 263.936,144.5 h0.24; PIN_NUMBER "C10" at 263.936,145.5 h0.24; PIN_NUMBER "B10" at 263.936,146.5 h0.24; PIN_NUMBER "A10" at 263.936,147.5 h0.24; PIN_NUMBER "C9" at 262.854,145.5 h0.24; PIN_NUMBER "B9" at 262.854,146.5 h0.24; PIN_NUMBER "A9" at 262.854,147.5 h0.24; PIN_NUMBER "D8" at 261.854,144.5 h0.24; PIN_NUMBER "C8" at 261.854,145.5 h0.24; PIN_NUMBER "B8" at 261.854,146.5 h0.24; PIN_NUMBER "D11" at 265.166,144.5 h0.24; PIN_NUMBER "V8" at 261.854,130.5 h0.24; PIN_NUMBER "R9" at 262.854,133.5 h0.24; PIN_NUMBER "T11" at 265.166,132.5 h0.24; PIN_NUMBER "U11" at 265.166,131.5 h0.24; PIN_NUMBER "V11" at 265.166,130.5 h0.24; PIN_NUMBER "R10" at 263.936,133.5 h0.24; PIN_NUMBER "T10" at 263.936,132.5 h0.24; PIN_NUMBER "U10" at 263.936,131.5 h0.24; PIN_NUMBER "V10" at 263.936,130.5 h0.24; PIN_NUMBER "T9" at 262.854,132.5 h0.24; PIN_NUMBER "U9" at 262.854,131.5 h0.24; PIN_NUMBER "V9" at 262.854,130.5 h0.24; PIN_NUMBER "R8" at 261.854,133.5 h0.24; PIN_NUMBER "T8" at 261.854,132.5 h0.24; PIN_NUMBER "U8" at 261.854,131.5 h0.24; PIN_NUMBER "R11" at 265.166,133.5 h0.24; PIN_NUMBER "A3" at 256.854,147.5 h0.24; PIN_NUMBER "D5" at 258.854,144.5 h0.24; PIN_NUMBER "C7" at 260.854,145.5 h0.24; PIN_NUMBER "B7" at 260.854,146.5 h0.24; PIN_NUMBER "A7" at 260.854,147.5 h0.24; PIN_NUMBER "D6" at 259.854,144.5 h0.24; PIN_NUMBER "C6" at 259.854,145.5 h0.24; PIN_NUMBER "B6" at 259.854,146.5 h0.24; PIN_NUMBER "A6" at 259.854,147.5 h0.24; PIN_NUMBER "C5" at 258.854,145.5 h0.24; PIN_NUMBER "B5" at 258.854,146.5 h0.24; PIN_NUMBER "A5" at 258.854,147.5 h0.24; PIN_NUMBER "C4" at 257.854,145.5 h0.24; PIN_NUMBER "B4" at 257.854,146.5 h0.24; PIN_NUMBER "A4" at 257.854,147.5 h0.24; PIN_NUMBER "D7" at 260.854,144.5 h0.24; PIN_NUMBER "V6" at 259.854,130.5 h0.24; PIN_NUMBER "R7" at 260.854,133.5 h0.24; PIN_NUMBER "T5" at 258.854,132.5 h0.24; PIN_NUMBER "U5" at 258.854,131.5 h0.24; PIN_NUMBER "V5" at 258.854,130.5 h0.24; PIN_NUMBER "T4" at 257.854,132.5 h0.24; PIN_NUMBER "U4" at 257.854,131.5 h0.24; PIN_NUMBER "V4" at 257.854,130.5 h0.24; PIN_NUMBER "V3" at 256.854,130.5 h0.24; PIN_NUMBER "T7" at 260.854,132.5 h0.24; PIN_NUMBER "U7" at 260.854,131.5 h0.24; PIN_NUMBER "V7" at 260.854,130.5 h0.24; PIN_NUMBER "R6" at 259.854,133.5 h0.24; PIN_NUMBER "T6" at 259.854,132.5 h0.24; PIN_NUMBER "U6" at 259.854,131.5 h0.24; PIN_NUMBER "R5" at 258.854,133.5 h0.24; PIN_NUMBER "R17" at 271.166,133.5 h0.24; PIN_NUMBER "V18" at 272.166,130.5 h0.24; PIN_NUMBER "P18" at 272.166,134.5 h0.24; PIN_NUMBER "P17" at 271.166,134.5 h0.24; PIN_NUMBER "P16" at 270.166,134.5 h0.24; PIN_NUMBER "N18" at 272.166,135.5 h0.24; PIN_NUMBER "N17" at 271.166,135.5 h0.24; PIN_NUMBER "N16" at 270.166,135.5 h0.24; PIN_NUMBER "N15" at 269.166,135.5 h0.24; PIN_NUMBER "U18" at 272.166,131.5 h0.24; PIN_NUMBER "U17" at 271.166,131.5 h0.24; PIN_NUMBER "T18" at 272.166,132.5 h0.24; PIN_NUMBER "T17" at 271.166,132.5 h0.24; PIN_NUMBER "T16" at 270.166,132.5 h0.24; PIN_NUMBER "R18" at 272.166,133.5 h0.24; PIN_NUMBER "R16" at 270.166,133.5 h0.24; PIN_NUMBER "V12" at 266.166,130.5 h0.24; PIN_NUMBER "R13" at 267.166,133.5 h0.24; PIN_NUMBER "T15" at 269.166,132.5 h0.24; PIN_NUMBER "U15" at 269.166,131.5 h0.24; PIN_NUMBER "V15" at 269.166,130.5 h0.24; PIN_NUMBER "R14" at 268.166,133.5 h0.24; PIN_NUMBER "T14" at 268.166,132.5 h0.24; PIN_NUMBER "U14" at 268.166,131.5 h0.24; PIN_NUMBER "V14" at 268.166,130.5 h0.24; PIN_NUMBER "T13" at 267.166,132.5 h0.24; PIN_NUMBER "U13" at 267.166,131.5 h0.24; PIN_NUMBER "V13" at 267.166,130.5 h0.24; PIN_NUMBER "R12" at 266.166,133.5 h0.24; PIN_NUMBER "T12" at 266.166,132.5 h0.24; PIN_NUMBER "U12" at 266.166,131.5 h0.24; PIN_NUMBER "V16" at 270.166,130.5 h0.24; PIN_NUMBER "C15" at 269.166,145.5 h0.24; PIN_NUMBER "B15" at 269.166,146.5 h0.24; PIN_NUMBER "A15" at 269.166,147.5 h0.24; PIN_NUMBER "B16" at 270.166,146.5 h0.24; PIN_NUMBER "A16" at 270.166,147.5 h0.24; PIN_NUMBER "A17" at 271.166,147.5 h0.24; PIN_NUMBER "A18" at 272.166,147.5 h0.24; PIN_NUMBER "B17" at 271.166,146.5 h0.24; PIN_NUMBER "H16" at 270.166,140.5 h0.24; PIN_NUMBER "H15" at 269.166,140.5 h0.24; PIN_NUMBER "B12" at 266.166,146.5 h0.24; PIN_NUMBER "C12" at 266.166,145.5 h0.24; PIN_NUMBER "A12" at 266.166,147.5 h0.24; PIN_NUMBER "D13" at 267.166,144.5 h0.24; PIN_NUMBER "F17" at 271.166,142.5 h0.24; PIN_NUMBER "F18" at 272.166,142.5 h0.24; PIN_NUMBER "D17" at 271.166,144.5 h0.24; PIN_NUMBER "D18" at 272.166,144.5 h0.24; PIN_NUMBER "E16" at 270.166,143.5 h0.24; PIN_NUMBER "E17" at 271.166,143.5 h0.24; PIN_NUMBER "L12" at 266.166,137.5 h0.24; PIN_NUMBER "L13" at 267.166,137.5 h0.24; PIN_NUMBER "L14" at 268.166,137.5 h0.24; PIN_NUMBER "L17" at 271.166,137.5 h0.24; PIN_NUMBER "L18" at 272.166,137.5 h0.24; PIN_NUMBER "J12" at 266.166,139.5 h0.24; PIN_NUMBER "J13" at 267.166,139.5 h0.24; PIN_NUMBER "J14" at 268.166,139.5 h0.24; PIN_NUMBER "H17" at 271.166,140.5 h0.24; PIN_NUMBER "H18" at 272.166,140.5 h0.24; PIN_NUMBER "G12" at 266.166,141.5 h0.24; PIN_NUMBER "G13" at 267.166,141.5 h0.24; PIN_NUMBER "G14" at 268.166,141.5 h0.24; PIN_NUMBER "F13" at 267.166,142.5 h0.24; PIN_NUMBER "F14" at 268.166,142.5 h0.24; PIN_NUMBER "E14" at 268.166,143.5 h0.24; PIN_NUMBER "E9" at 262.854,143.5 h0.24; PIN_NUMBER "F9" at 262.854,142.5 h0.24; PIN_NUMBER "F11" at 265.166,142.5 h0.24; PIN_NUMBER "E11" at 265.166,143.5 h0.24; PIN_NUMBER "F12" at 266.166,142.5 h0.24; PIN_NUMBER "E12" at 266.166,143.5 h0.24; PIN_NUMBER "E13" at 267.166,143.5 h0.24; PIN_NUMBER "P5" at 258.854,134.5 h0.24; PIN_NUMBER "N6" at 259.854,135.5 h0.24; PIN_NUMBER "N5" at 258.854,135.5 h0.24; PIN_NUMBER "M5" at 258.854,136.5 h0.24; PIN_NUMBER "M6" at 259.854,136.5 h0.24; PIN_NUMBER "M7" at 260.854,136.5 h0.24; PIN_NUMBER "K5" at 258.854,138.5 h0.24; PIN_NUMBER "K6" at 259.854,138.5 h0.24; PIN_NUMBER "K7" at 260.854,138.5 h0.24; PIN_NUMBER "H5" at 258.854,140.5 h0.24; PIN_NUMBER "H6" at 259.854,140.5 h0.24; PIN_NUMBER "H7" at 260.854,140.5 h0.24; PIN_NUMBER "P6" at 259.854,134.5 h0.24; PIN_NUMBER "N7" at 260.854,135.5 h0.24; PIN_NUMBER "P7" at 260.854,134.5 h0.24; PIN_NUMBER "N8" at 261.854,135.5 h0.24; PIN_NUMBER "P8" at 261.854,134.5 h0.24; PIN_NUMBER "P10" at 263.936,134.5 h0.24; PIN_NUMBER "N10" at 263.936,135.5 h0.24; PIN_NUMBER "D12" at 266.166,144.5 h0.24; PIN_NUMBER "G15" at 269.166,141.5 h0.24; PIN_NUMBER "M15" at 269.166,136.5 h0.24; PIN_NUMBER "G18" at 272.166,141.5 h0.24; PIN_NUMBER "R15" at 269.166,133.5 h0.24; PIN_NUMBER "P15" at 269.166,134.5 h0.24; PIN_NUMBER "J15" at 269.166,139.5 h0.24; PIN_NUMBER "F15" at 269.166,142.5 h0.24; PIN_NUMBER "E15" at 269.166,143.5 h0.24; PIN_NUMBER "D15" at 269.166,144.5 h0.24; PIN_NUMBER "V17" at 271.166,130.5 h0.24; PIN_NUMBER "U16" at 270.166,131.5 h0.24; PIN_NUMBER "M3" at 256.854,136.5 h0.24; PIN_NUMBER "M1" at 254.624,136.5 h0.24; PIN_NUMBER "R4" at 257.854,133.5 h0.24; PIN_NUMBER "N2" at 255.854,135.5 h0.24; PIN_NUMBER "F3" at 256.854,142.5 h0.24; PIN_NUMBER "D1" at 254.624,144.5 h0.24; PIN_NUMBER "D4" at 257.854,144.5 h0.24; PIN_NUMBER "D3" at 256.854,144.5 h0.24; PIN_NUMBER "C3" at 256.854,145.5 h0.24; PIN_NUMBER "C2" at 255.854,145.5 h0.24; PIN_NUMBER "C1" at 254.624,145.5 h0.24; PIN_NUMBER "B3" at 256.854,146.5 h0.24; PIN_NUMBER "B2" at 255.854,146.5 h0.24; PIN_NUMBER "V2" at 255.854,130.5 h0.24; PIN_NUMBER "V1" at 254.624,130.5 h0.24; PIN_NUMBER "B1" at 254.624,146.5 h0.24; PIN_NUMBER "U3" at 256.854,131.5 h0.24; PIN_NUMBER "U2" at 255.854,131.5 h0.24; PIN_NUMBER "U1" at 254.624,131.5 h0.24; PIN_NUMBER "T3" at 256.854,132.5 h0.24; PIN_NUMBER "T2" at 255.854,132.5 h0.24; PIN_NUMBER "T1" at 254.624,132.5 h0.24; PIN_NUMBER "R2" at 255.854,133.5 h0.24; PIN_NUMBER "R1" at 254.624,133.5 h0.24; PIN_NUMBER "P4" at 257.854,134.5 h0.24; PIN_NUMBER "P3" at 256.854,134.5 h0.24; PIN_NUMBER "A2" at 255.854,147.5 h0.24; PIN_NUMBER "P2" at 255.854,134.5 h0.24; PIN_NUMBER "P1" at 254.624,134.5 h0.24; PIN_NUMBER "N4" at 257.854,135.5 h0.24; PIN_NUMBER "N3" at 256.854,135.5 h0.24; PIN_NUMBER "F2" at 255.854,142.5 h0.24; PIN_NUMBER "F1" at 254.624,142.5 h0.24; PIN_NUMBER "E4" at 257.854,143.5 h0.24; PIN_NUMBER "E3" at 256.854,143.5 h0.24; PIN_NUMBER "E2" at 255.854,143.5 h0.24; PIN_NUMBER "E1" at 254.624,143.5 h0.24; PIN_NUMBER "A1" at 254.624,147.5 h0.24; PIN_NUMBER "R3" at 256.854,133.5 h0.24; PIN_NUMBER "N1" at 254.624,135.5 h0.24; PIN_NUMBER "F4" at 257.854,142.5 h0.24; PIN_NUMBER "D2" at 255.854,144.5 h0.24; PIN_NUMBER "J4" at 257.854,139.5 h0.24; PIN_NUMBER "J3" at 256.854,139.5 h0.24; PIN_NUMBER "M4" at 257.854,136.5 h0.24; PIN_NUMBER "J1" at 254.624,139.5 h0.24; PIN_NUMBER "J2" at 255.854,139.5 h0.24; PIN_NUMBER "M2" at 255.854,136.5 h0.24; PIN_NUMBER "G1" at 254.624,141.5 h0.24; PIN_NUMBER "G2" at 255.854,141.5 h0.24; PIN_NUMBER "K4" at 257.854,138.5 h0.24; PIN_NUMBER "H2" at 255.854,140.5 h0.24; PIN_NUMBER "L1" at 254.624,137.5 h0.24; PIN_NUMBER "H1" at 254.624,140.5 h0.24; PIN_NUMBER "L2" at 255.854,137.5 h0.24; PIN_NUMBER "G4" at 257.854,141.5 h0.24; PIN_NUMBER "L3" at 256.854,137.5 h0.24; PIN_NUMBER "G3" at 256.854,141.5 h0.24; PIN_NUMBER "L4" at 257.854,137.5 h0.24; PIN_NUMBER "K1" at 254.624,138.5 h0.24; PIN_NUMBER "H4" at 257.854,140.5 h0.24; PIN_NUMBER "K3" at 256.854,138.5 h0.24; PIN_NUMBER "H3" at 256.854,140.5 h0.24; PIN_NUMBER "K2" at 255.854,138.5 h0.24